# Altium PCB F103ZET6.PcbDoc (part 3 of 3)
Units mil, origin at the board's own origin, x right, y up, seen from the top; angles counter-clockwise.
Board outline 3789 x 2423 mil, 2 copper layers (Top Layer, Bottom Layer); 127 components, 166 nets, 593 pads, 224 vias.
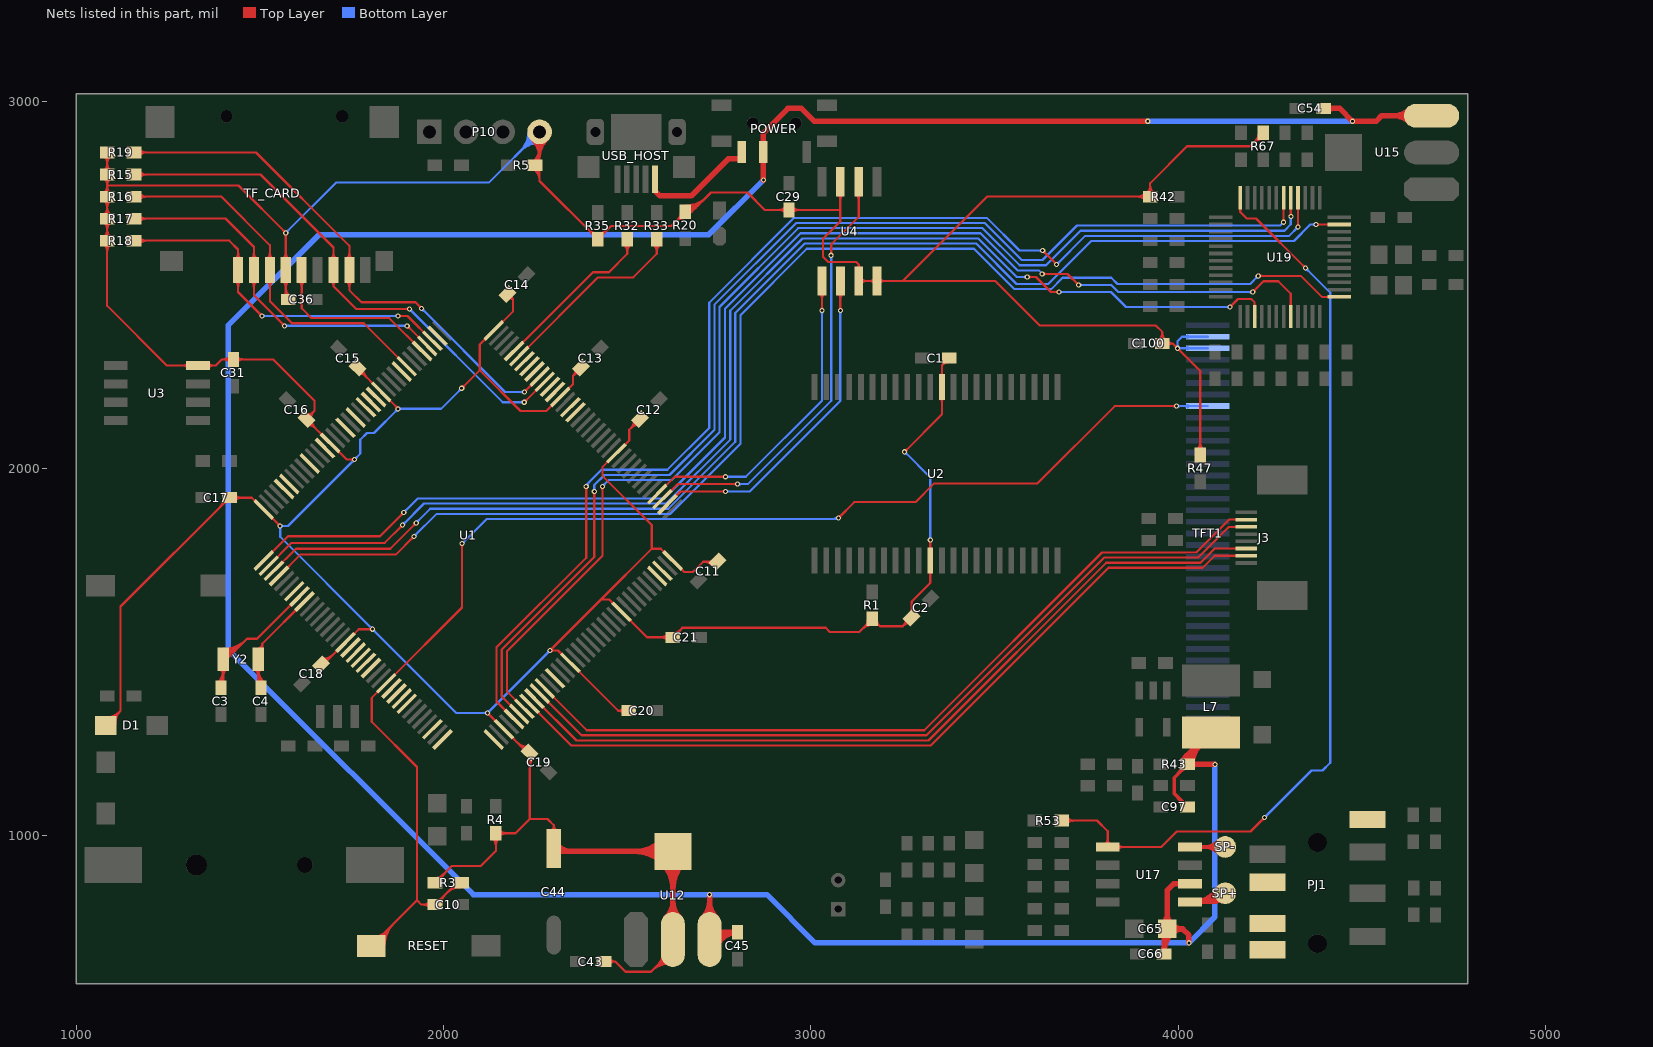
[diagram p3: the nets of this part, all layers, seen from the top]

## Via types
v1: diameter 14, hole 8, Top Layer to Bottom Layer, 224 vias

## Nets (pads, with @x,y where several pads share a name; then routed paths per layer and width w, separated by ;. In a path a pad name is that pad's centre, name@x,y a point inside that pad or via, vN(x,y) a via of type N, cw(c..) or ccw(c..) an arc to the next point about the centre after c; other vN are vias at no path point) (continued)
NetSP+_1: SP+.1 U17.5 | length 433.7
  Top Layer w10: U17.5@4052.11,819 ccw(c4052.11,898.47) SP+.1@4116.27,851.57 ; U17.5@4057.71,813.7 cw(c4070.52,800.89) 4070.52,819 cw(c4070.52,837.11) U17.5@4057.71,824.3 ; 4071.81,819 ccw(c4071.81,884.08) SP+.1@4124.34,845.67 ; 4091.51,819 ccw(c4091.51,869.68) SP+.1@4132.42,839.77 ; SP+.1@4106.09,831.98 cw(c4096.07,826.93) 4104,819 ; SP+.1@4108.2,857.47 cw(c4032.42,912.87) U17.5@4032.41,819 4104,819 ; SP+.1@4116.98,821.09 ccw(c4111.93,811.07) 4104,819 ; SP+.1@4128,843 4104,819
NetSP-_1: SP-.1 U17.8 | length 272.1
  Top Layer w10: U17.8@4032.41,969 SP-.1@4128,969 ; U17.8@4057.71,963.7 cw(c4070.52,950.89) 4070.52,969 cw(c4070.52,987.11) U17.8@4057.71,974.3 ; SP-.1@4110.66,951.66 ccw(c4068.79,909.79) 4068.79,969 ccw(c4068.79,1028.21) SP-.1@4110.66,986.34 ; SP-.1@4117.73,958.73 ccw(c4092.93,933.93) 4092.93,969 ccw(c4092.93,1004.07) SP-.1@4117.73,979.27
PA0: U1.34
PA2: U1.36
PA3: U1.37
PA5: U1.41 U19.28 | length 3492
  Top Layer w6: U1.41@2191.78,1317.26 2144,1365.05 2144,1512.6 2388,1756.6 v1(2388,1951) ; v1@2385.17,1948.17 cw(c2378.34,1941.34) 2388,1941.34 cw(c2397.66,1941.34) v1@2390.83,1948.17 ; v1@3631,2589 cw(c3631,2579.34) 3637.83,2586.17 cw(c3644.66,2593) v1@3635,2593 ; v1(3631,2593) v1(3669,2555) ; v1@3665,2555 ccw(c3655.34,2555) 3662.17,2561.83 ccw(c3669,2568.66) v1@3669,2559 ; v1@4323.47,2660.13 ccw(c4316.64,2666.95) 4326.3,2666.95 ccw(c4335.95,2666.95) v1@4329.13,2660.13 ; v1(4326.3,2657.3) U19.28@4326.3,2736.58
  Bottom Layer w6: v1(2388,1951) 2388,1954.46 2429.54,1996 2609,1996 2723,2110 2723,2451 2954,2682 3478.79,2682 3567.79,2593 v1(3631,2593) ; v1@2392,1951 cw(c2410,1951) 2397.27,1963.73 ; v1@3628.17,2590.17 ccw(c3621.34,2583.34) 3621.34,2593 ccw(c3621.34,2602.66) v1@3628.17,2595.83 ; v1(3669,2555) 3747,2633 4302,2633 v1(4326.3,2657.3) ; v1@3669,2559 ccw(c3669,2568.66) 3675.83,2561.83 ccw(c3682.66,2555) v1@3673,2555 ; v1@4322.3,2657.3 cw(c4312.64,2657.3) 4319.47,2650.47 cw(c4326.3,2643.64) v1@4326.3,2653.3
PA6: U1.42 U19.30 | length 3316.2
  Top Layer w6: U1.42@2205.7,1331.18 2158,1378.89 2158,1506.8 2410,1758.8 v1(2410,1937) ; v1@2407.17,1934.17 cw(c2400.34,1927.34) 2410,1927.34 cw(c2419.66,1927.34) v1@2412.83,1934.17 ; v1@4284.1,2672.9 ccw(c4277.27,2679.73) 4286.93,2679.73 ccw(c4296.58,2679.73) v1@4289.76,2672.9 ; v1(4286.93,2670.07) U19.30@4286.93,2736.58
  Bottom Layer w6: v1@2407.17,1939.83 ccw(c2400.34,1946.66) 2410,1946.66 ccw(c2419.66,1946.66) v1@2412.83,1939.83 ; v1(2410,1937) 2410,1954.46 2437.54,1982 2614.8,1982 2737,2104.2 2737,2445.2 2959.8,2668 3472.99,2668 3573.99,2567 3630.46,2567 3724.46,2661 4277.86,2661 v1(4286.93,2670.07)
PA7: U1.43 U19.29 | length 3319.8
  Top Layer w6: U1.43@2219.62,1345.1 2172,1392.73 2172,1501 2432,1761 v1(2432,1951) ; v1@2429.17,1948.17 cw(c2422.34,1941.34) 2432,1941.34 cw(c2441.66,1941.34) v1@2434.83,1948.17 ; v1@4303.79,2688.83 ccw(c4296.96,2695.66) 4306.61,2695.66 ccw(c4316.27,2695.66) v1@4309.44,2688.83 ; v1(4306.61,2686) U19.29@4306.61,2736.58
  Bottom Layer w6: v1(2432,1951) 2449,1968 2620.6,1968 2751,2098.4 2751,2439.4 2965.6,2654 3467.2,2654 3568.2,2553 3640,2553 3734,2647 4289.31,2647 4306.61,2664.3 v1(4306.61,2686) ; v1@2432,1955 ccw(c2432,1964.66) 2438.83,1957.83 ccw(c2445.66,1951) v1@2436,1951 ; v1@4303.79,2683.17 cw(c4296.96,2676.34) 4306.61,2676.34 cw(c4316.27,2676.34) v1@4309.44,2683.17
PA8: U1.100
PA9: U1.101
PA10: U1.102
PA11: R33.2 U1.103 | length 603.1
  Top Layer w6: U1.103@2205.7,2305.54 2420.16,2520 2516,2520 2580,2584 R33.2@2580,2623.5 ; R33.2@2570.99,2610.23 cw(c2549.22,2588.47) 2580,2588.47 cw(c2610.78,2588.47) R33.2@2589.01,2610.23 ; R33.2@2575.23,2614.48 cw(c2563.71,2602.96) 2580,2602.96 cw(c2596.29,2602.96) R33.2@2584.77,2614.48
PA12: R32.2 U1.104 | length 531.2
  Top Layer w6: U1.104@2191.78,2319.46 2406.32,2534 2450,2534 2500,2584 R32.2@2500,2623.5 ; R32.2@2490.99,2610.23 cw(c2469.22,2588.47) 2500,2588.47 cw(c2530.78,2588.47) R32.2@2509.01,2610.23 ; R32.2@2495.23,2614.48 cw(c2483.71,2602.96) 2500,2602.96 cw(c2516.29,2602.96) R32.2@2504.77,2614.48
PA15: U1.110
PB0: J3.3 U1.46 | length 2205.9
  Top Layer w6: U1.46@2261.38,1386.86 2375.24,1273 3314.4,1273 3798.4,1757 4054.8,1757 4138.43,1840.63 J3.3@4185,1840.63
PB1: J3.2 U1.47 | length 2194.3
  Top Layer w6: U1.47@2275.3,1400.78 2389.08,1287 3308.6,1287 3792.6,1771 4049,1771 4138.31,1860.32 J3.2@4185,1860.32
PB5: U1.135
PB8: U1.139
PB9: U1.140
PB10: U1.69
PB11: U1.70
PB13: U1.74 U4.6 | length 1008.6
  Top Layer w6: U1.74@2609.36,1901.88 2644.48,1937 v1(2767,1937) ; v1@2764.17,1934.17 ccw(c2757.34,1927.34) 2757.34,1937 ccw(c2757.34,1946.66) v1@2764.17,1939.83 ; U4.6@3073.64,2475.64 cw(c3058.27,2460.27) 3080,2460.27 cw(c3101.73,2460.27) U4.6@3086.36,2475.64 ; v1@3077.17,2432.83 ccw(c3070.34,2439.66) 3080,2439.66 ccw(c3089.66,2439.66) v1@3082.83,2432.83 ; v1(3080,2430) U4.6@3080,2510
  Bottom Layer w6: v1(2767,1937) 2833.54,1937 3080,2183.46 v1(3080,2430) ; v1@2769.83,1934.17 cw(c2776.66,1927.34) 2776.66,1937 cw(c2776.66,1946.66) v1@2769.83,1939.83 ; v1@3077.17,2427.17 cw(c3070.34,2420.34) 3080,2420.34 cw(c3089.66,2420.34) v1@3082.83,2427.17
PB14: U1.75 U4.2 | length 1292.5
  Top Layer w6: U1.75@2595.45,1915.8 2636.65,1957 v1(2800,1957) ; v1@2797.17,1954.17 ccw(c2790.34,1947.34) 2790.34,1957 ccw(c2790.34,1966.66) v1@2797.17,1959.83 ; v1@3052.17,2582.83 ccw(c3045.34,2589.66) 3055,2589.66 ccw(c3064.66,2589.66) v1@3057.83,2582.83 ; v1(3055,2580) 3055,2610 3129.94,2684.94 U4.2@3129.94,2780 ; U4.2@3123.57,2745.64 cw(c3108.21,2730.27) 3129.94,2730.27 cw(c3151.66,2730.27) U4.2@3136.3,2745.64
  Bottom Layer w6: v1(2800,1957) 2828.09,1957 3055,2183.91 v1(3055,2580) ; v1@2802.83,1954.17 cw(c2809.66,1947.34) 2809.66,1957 cw(c2809.66,1966.66) v1@2802.83,1959.83 ; v1@3052.17,2577.17 cw(c3045.34,2570.34) 3055,2570.34 cw(c3064.66,2570.34) v1@3057.83,2577.17
PB15: U1.76 U4.5 | length 974.4
  Top Layer w6: U1.76@2581.53,1929.72 2628.81,1977 v1(2767,1977) ; v1@2764.17,1974.17 ccw(c2757.34,1967.34) 2757.34,1977 ccw(c2757.34,1986.66) v1@2764.17,1979.83 ; U4.5@3023.64,2475.64 cw(c3008.27,2460.27) 3030,2460.27 cw(c3051.73,2460.27) U4.5@3036.36,2475.64 ; v1@3027.17,2432.83 ccw(c3020.34,2439.66) 3030,2439.66 ccw(c3039.66,2439.66) v1@3032.83,2432.83 ; v1(3030,2430) U4.5@3030,2510
  Bottom Layer w6: v1(2767,1977) 2822.63,1977 3030,2184.37 v1(3030,2430) ; v1@2769.83,1974.17 cw(c2776.66,1967.34) 2776.66,1977 cw(c2776.66,1986.66) v1@2769.83,1979.83 ; v1@3027.17,2427.17 cw(c3020.34,2420.34) 3030,2420.34 cw(c3039.66,2420.34) v1@3032.83,2427.17
PC0: U1.26
PC1: U1.27
PC2: U1.28
PC3: U1.29
PC4: J3.7 U1.44 | length 2212.8
  Top Layer w6: U1.44@2233.54,1359.02 2347.57,1245 3326,1245 3810,1729 4066.4,1729 4099.29,1761.89 J3.7@4185,1761.89
PC5: J3.6 U1.45 | length 2201.2
  Top Layer w6: U1.45@2247.46,1372.94 2361.4,1259 3320.2,1259 3804.2,1743 4060.6,1743 4099.17,1781.58 J3.6@4185,1781.58
PC6: U1.96
PC7: U1.97
PC8: R15.1 TF_CARD.7 U1.98 | length 1667.3
  Top Layer w6: R15.1@1156.5,2800 1501,2800 1699.84,2601.16 TF_CARD.7@1699.84,2540 1699.84,2496.16 ; R15.1@1165.52,2795.23 cw(c1177.04,2783.71) 1177.04,2800 cw(c1177.04,2816.29) R15.1@1165.52,2804.77 ; R15.1@1169.77,2790.99 cw(c1191.53,2769.22) 1191.53,2800 cw(c1191.53,2830.78) R15.1@1169.77,2809.01 ; TF_CARD.7@1692.22,2569.28 ccw(c1673.82,2587.68) 1699.84,2587.68 ccw(c1725.87,2587.68) TF_CARD.7@1707.46,2569.28 ; TF_CARD.7@1693.18,2509.87 cw(c1682.4,2496.16) 1699.84,2496.16 ; TF_CARD.7@1706.51,2509.87 ccw(c1717.29,2496.16) 1699.84,2496.16 ; v1@1904.17,2431.17 ccw(c1897.34,2424.34) 1897.34,2434 ccw(c1897.34,2443.66) v1@1904.17,2436.83 ; v1(1907,2434) 1762,2434 1699.84,2496.16 ; v1(2219.35,2180) U1.98@2275.3,2235.95 ; v1@2219.35,2184 ccw(c2219.35,2193.66) 2226.18,2186.83 ccw(c2233.01,2180) v1@2223.35,2180
  Bottom Layer w6: v1@1907,2430 cw(c1907,2420.34) 1913.83,2427.17 cw(c1920.66,2434) v1@1911,2434 ; v1(1907,2434) 2161,2180 v1(2219.35,2180) ; v1@2216.53,2177.17 ccw(c2209.7,2170.34) 2209.7,2180 ccw(c2209.7,2189.66) v1@2216.53,2182.83
PC9: R19.1 TF_CARD.8 U1.99 | length 1679.5
  Top Layer w6: R19.1@1156.5,2860 1489,2860 1743.15,2605.85 TF_CARD.8@1743.15,2540 1743.15,2484.85 1776,2452 1923,2452 v1(1940,2435) ; R19.1@1165.52,2855.23 cw(c1177.04,2843.71) 1177.04,2860 cw(c1177.04,2876.29) R19.1@1165.52,2864.77 ; R19.1@1169.77,2850.99 cw(c1191.53,2829.22) 1191.53,2860 cw(c1191.53,2890.78) R19.1@1169.77,2869.01 ; TF_CARD.8@1735.53,2510.72 cw(c1717.13,2492.32) 1743.15,2492.32 cw(c1769.17,2492.32) TF_CARD.8@1750.77,2510.72 ; TF_CARD.8@1735.53,2569.28 ccw(c1717.13,2587.68) 1743.15,2587.68 ccw(c1769.17,2587.68) TF_CARD.8@1750.77,2569.28 ; v1@1936,2435 ccw(c1926.34,2435) 1933.17,2441.83 ccw(c1940,2448.66) v1@1940,2439 ; v1(2219.52,2208) U1.99@2261.38,2249.86 ; v1@2219.52,2212 ccw(c2219.52,2221.66) 2226.35,2214.83 ccw(c2233.18,2208) v1@2223.52,2208
  Bottom Layer w6: v1@1940,2431 cw(c1940,2421.34) 1946.83,2428.17 cw(c1953.66,2435) v1@1944,2435 ; v1(1940,2435) 2167,2208 v1(2219.52,2208) ; v1@2216.69,2205.17 ccw(c2209.86,2198.34) 2209.86,2208 ccw(c2209.86,2217.66) v1@2216.69,2210.83
PC10: R18.1 TF_CARD.1 U1.111 | length 1209.8
  Top Layer w6: R18.1@1156.5,2620 1416,2620 1440,2596 TF_CARD.1@1440,2540 1440,2480 v1(1505,2415) ; R18.1@1165.52,2615.23 cw(c1177.04,2603.71) 1177.04,2620 cw(c1177.04,2636.29) R18.1@1165.52,2624.77 ; R18.1@1169.77,2610.99 cw(c1191.53,2589.22) 1191.53,2620 cw(c1191.53,2650.78) R18.1@1169.77,2629.01 ; TF_CARD.1@1432.38,2510.72 cw(c1413.98,2492.32) 1440,2492.32 cw(c1466.02,2492.32) TF_CARD.1@1447.62,2510.72 ; TF_CARD.1@1432.38,2569.28 ccw(c1413.98,2587.68) 1440,2587.68 ccw(c1466.02,2587.68) TF_CARD.1@1447.62,2569.28 ; v1@1501,2415 ccw(c1491.34,2415) 1498.17,2421.83 ccw(c1505,2428.66) v1@1505,2419 ; v1(1876,2415) 1901.37,2415 U1.111@1969.07,2347.3 ; v1@1878.83,2412.17 cw(c1885.66,2405.34) 1885.66,2415 cw(c1885.66,2424.66) v1@1878.83,2417.83
  Bottom Layer w6: v1(1505,2415) v1(1876,2415) ; v1@1507.83,2412.17 cw(c1514.66,2405.34) 1514.66,2415 cw(c1514.66,2424.66) v1@1507.83,2417.83 ; v1@1873.17,2412.17 ccw(c1866.34,2405.34) 1866.34,2415 ccw(c1866.34,2424.66) v1@1873.17,2417.83
PC11: R17.1 TF_CARD.2 U1.112 | length 1235.8
  Top Layer w6: R17.1@1156.5,2680 1406,2680 1483.31,2602.69 TF_CARD.2@1483.31,2540 1483.31,2470.89 v1(1566.2,2388) ; R17.1@1165.52,2675.23 cw(c1177.04,2663.71) 1177.04,2680 cw(c1177.04,2696.29) R17.1@1165.52,2684.77 ; R17.1@1169.77,2670.99 cw(c1191.53,2649.22) 1191.53,2680 cw(c1191.53,2710.78) R17.1@1169.77,2689.01 ; TF_CARD.2@1475.68,2510.72 cw(c1457.28,2492.32) 1483.31,2492.32 cw(c1509.33,2492.32) TF_CARD.2@1490.93,2510.72 ; TF_CARD.2@1475.68,2569.28 ccw(c1457.28,2587.68) 1483.31,2587.68 ccw(c1509.33,2587.68) TF_CARD.2@1490.93,2569.28 ; v1@1562.2,2388 ccw(c1552.54,2388) 1559.37,2394.83 ccw(c1566.2,2401.66) v1@1566.2,2392 ; v1@1900.53,2384 cw(c1900.53,2374.34) 1907.36,2381.17 cw(c1914.19,2388) v1@1904.53,2388 ; v1(1900.53,2388) U1.112@1955.15,2333.38
  Bottom Layer w6: v1(1566.2,2388) v1(1900.53,2388) ; v1@1569.03,2385.17 cw(c1575.86,2378.34) 1575.86,2388 cw(c1575.86,2397.66) v1@1569.03,2390.83 ; v1@1897.71,2385.17 ccw(c1890.88,2378.34) 1890.88,2388 ccw(c1890.88,2397.66) v1@1897.71,2390.83
PC12: TF_CARD.5 U1.113 | length 521.3
  Top Layer w6: TF_CARD.5@1605.61,2510.72 cw(c1587.2,2492.32) 1613.23,2492.32 cw(c1639.25,2492.32) TF_CARD.5@1620.85,2510.72 ; TF_CARD.5@1613.23,2540 1613.23,2435.77 1640,2409 1851.7,2409 U1.113@1941.23,2319.46
PC13: U1.7
PC14: C3.2 U1.8 Y2.1 | length 766.5
  Top Layer w6: C3.2@1384.51,1415.99 ccw(c1347.13,1453.37) Y2.1@1400,1453.37 ; C3.2@1388.76,1411.74 ccw(c1361.62,1438.88) 1400,1438.88 ; Y2.1@1390.99,1455.24 cw(c1369.22,1433.48) 1400,1433.48 cw(c1430.78,1433.48) Y2.1@1409.01,1455.24 ; C3.2@1393,1407.5 ccw(c1376.1,1424.4) 1400,1424.4 ; Y2.1@1395.23,1459.48 cw(c1383.71,1447.96) 1400,1447.96 cw(c1416.29,1447.96) Y2.1@1404.77,1459.48 ; C3.2@1400,1409.5 1400,1471 1465,1536 1491.84,1536 U1.8@1607.17,1651.33 ; Y2.1@1400,1472.5 ccw(c1400,1476.11) Y2.1@1402.55,1473.55 ; Y2.1@1400,1478.5 ccw(c1400,1496.59) Y2.1@1412.8,1483.8 ; Y2.1@1400,1484.5 ccw(c1400,1517.08) 1423.04,1494.04 ; Y2.1@1400,1490.5 ccw(c1400,1537.56) 1433.28,1504.28 ; Y2.1@1400,1496.5 ccw(c1400,1558.05) 1443.52,1514.52 ; Y2.1@1400,1502.5 ccw(c1400,1578.53) 1453.77,1524.77 ; Y2.1@1400,1508.5 ccw(c1400,1599.02) 1464.01,1535.01
PC15: C4.1 U1.9 Y2.2 | length 513.6
  Top Layer w6: Y2.2@1485.47,1455.24 cw(c1463.71,1433.48) 1494.49,1433.48 cw(c1525.26,1433.48) Y2.2@1503.5,1455.24 ; Y2.2@1489.72,1459.48 cw(c1478.2,1447.96) 1494.49,1447.96 cw(c1510.78,1447.96) Y2.2@1499.26,1459.48 ; Y2.2@1493.32,1508.44 ccw(c1492.06,1522.1) 1505.78,1522.1 ; Y2.2@1493.87,1502.47 ccw(c1492.67,1515.53) 1505.78,1515.53 ; Y2.2@1494.42,1496.49 ccw(c1493.27,1508.95) Y2.2@1505.78,1508.95 ; C4.1@1494.49,1411.01 Y2.2@1494.49,1480 1505.78,1491.29 1505.78,1522.1 ; 1494.49,1428.05 ccw(c1523.55,1428.05) C4.1@1503,1407.5 ; 1494.49,1442.53 ccw(c1538.03,1442.53) C4.1@1507.24,1411.74 ; Y2.2@1494.49,1457.02 ccw(c1552.52,1457.02) C4.1@1511.49,1415.99 ; U1.9@1621.09,1637.41 1505.78,1522.1
PD2: R16.1 TF_CARD.3 U1.116 | length 1179.2
  Top Layer w6: R16.1@1156.5,2740 1394,2740 1526.61,2607.39 TF_CARD.3@1526.61,2540 1526.61,2455.39 1587,2395 1782.18,2395 U1.116@1899.48,2277.7 ; R16.1@1165.52,2735.23 cw(c1177.04,2723.71) 1177.04,2740 cw(c1177.04,2756.29) R16.1@1165.52,2744.77 ; R16.1@1169.77,2730.99 cw(c1191.53,2709.22) 1191.53,2740 cw(c1191.53,2770.78) R16.1@1169.77,2749.01 ; TF_CARD.3@1518.99,2510.72 cw(c1500.59,2492.32) 1526.61,2492.32 cw(c1552.64,2492.32) TF_CARD.3@1534.24,2510.72 ; TF_CARD.3@1518.99,2569.28 ccw(c1500.59,2587.68) 1526.61,2587.68 ccw(c1552.64,2587.68) TF_CARD.3@1534.24,2569.28
PD3: U1.117
PD6: U1.122
PD7: U1.123
PE2: U1.1 U19.8 | length 3631.9
  Top Layer w6: U1.1@1509.73,1748.77 1575.97,1815 1826.34,1815 v1(1891.2,1879.86) ; v1@1887.2,1879.86 cw(c1877.55,1879.86) 1884.38,1873.03 cw(c1891.2,1866.2) v1@1891.2,1875.86 ; v1(3629.66,2529.34) 3698.66,2529.34 v1(3729,2499) ; v1@3632.49,2526.51 cw(c3639.32,2519.68) 3639.32,2529.34 cw(c3639.32,2538.99) v1@3632.49,2532.16 ; v1@3725,2499 ccw(c3715.34,2499) 3722.17,2505.83 ccw(c3729,2512.66) v1@3729,2503 ; v1(4202.88,2480) 4232.44,2509.56 4272.44,2509.56 4306.61,2475.39 U19.8@4306.61,2413.74 ; v1@4202.88,2484 ccw(c4202.88,2493.66) 4209.71,2486.83 ccw(c4216.54,2480) v1@4206.88,2480
  Bottom Layer w6: v1(1891.2,1879.86) 1929.34,1918 2600,1918 2766,2084 2766,2434.6 2971.4,2640 3461.4,2640 3562.4,2539 3620,2539 v1(3629.66,2529.34) ; v1@1891.2,1883.86 ccw(c1891.2,1893.52) 1898.03,1886.69 ccw(c1904.86,1879.86) v1@1895.21,1879.86 ; v1(3729,2499) 3817.8,2499 3836.8,2480 v1(4202.88,2480) ; v1@3731.83,2496.17 cw(c3738.66,2489.34) 3738.66,2499 cw(c3738.66,2508.66) v1@3731.83,2501.83 ; v1@4200.06,2477.17 ccw(c4193.23,2470.34) 4193.23,2480 ccw(c4193.23,2489.66) v1@4200.06,2482.83
PE3: U1.2 U19.3 | length 3513.1
  Top Layer w6: U1.2@1523.65,1734.85 1585.81,1797 1839.46,1797 v1(1888.23,1845.77) ; v1@1884.23,1845.77 cw(c1874.57,1845.77) 1881.4,1838.94 cw(c1888.23,1832.12) v1@1888.23,1841.77 ; v1(3589,2521) 3612.54,2521 3653.54,2480 v1(3675,2480) ; v1@3591.83,2518.17 cw(c3598.66,2511.34) 3598.66,2521 cw(c3598.66,2530.66) v1@3591.83,2523.83 ; v1@3672.17,2477.17 ccw(c3665.34,2470.34) 3665.34,2480 ccw(c3665.34,2489.66) v1@3672.17,2482.83 ; v1(4141,2439) 4163,2461 4199,2461 4208,2452 U19.3@4208,2413.93 ; v1@4141,2443 ccw(c4141,2452.66) 4147.83,2445.83 ccw(c4154.66,2439) v1@4145,2439 ; 4208,2445.52 ccw(c4213.47,2445.52) U19.3@4209.6,2441.65
  Top Layer w10: U19.3@4208,2413.93 U19.3@4208.19,2413.74
  Bottom Layer w6: v1(1888.23,1845.77) 1946.46,1904 2605.8,1904 2780,2078.2 2780,2428.8 2977.2,2626 3455.6,2626 3560.6,2521 v1(3589,2521) ; v1@1888.23,1849.77 ccw(c1888.23,1859.43) 1895.06,1852.6 ccw(c1901.88,1845.77) v1@1892.23,1845.77 ; v1@3586.17,2518.17 ccw(c3579.34,2511.34) 3579.34,2521 ccw(c3579.34,2530.66) v1@3586.17,2523.83 ; v1(3675,2480) 3817,2480 3858,2439 v1(4141,2439) ; v1@3677.83,2477.17 cw(c3684.66,2470.34) 3684.66,2480 cw(c3684.66,2489.66) v1@3677.83,2482.83 ; v1@4138.17,2436.17 ccw(c4131.34,2429.34) 4131.34,2439 ccw(c4131.34,2448.66) v1@4138.17,2441.83
PE4: U1.3 U19.23 | length 3648.6
  Top Layer w6: U1.3@1537.57,1720.93 1597.64,1781 1854.57,1781 v1(1925.16,1851.59) ; v1@1921.16,1851.59 cw(c1911.51,1851.59) 1918.33,1844.77 cw(c1925.16,1837.94) v1@1925.16,1847.59 ; v1(4374.74,2663.74) U19.23@4438.5,2663.74 ; v1@4377.57,2660.91 cw(c4384.4,2654.08) 4384.4,2663.74 cw(c4384.4,2673.4) v1@4377.57,2666.57
  Bottom Layer w6: v1(1925.16,1851.59) 1963.57,1890 2611.6,1890 2794,2072.4 2794,2423.01 2982.99,2612 3449.8,2612 3559.8,2502 3646.01,2502 3763.01,2619 4315,2619 4359.74,2663.74 v1(4374.74,2663.74) ; v1@1925.16,1855.59 ccw(c1925.16,1865.25) 1931.99,1858.42 ccw(c1938.82,1851.59) v1@1929.16,1851.59 ; v1@4371.91,2660.91 ccw(c4365.08,2654.08) 4365.08,2663.74 ccw(c4365.08,2673.4) v1@4371.91,2666.57
PE5: U1.4 U19.13 | length 3620.3
  Top Layer w6: U1.4@1551.49,1707.01 1609.48,1765 1869.68,1765 v1(1919.34,1814.66) ; v1@1915.34,1814.66 cw(c1905.68,1814.66) 1912.51,1807.83 cw(c1919.34,1801) v1@1919.34,1810.66 ; v1(4218,2524) 4334,2524 4391.11,2466.89 U19.13@4438.5,2466.89 ; v1@4220.83,2521.17 cw(c4227.66,2514.34) 4227.66,2524 cw(c4227.66,2533.66) v1@4220.83,2526.83
  Bottom Layer w6: v1(1919.34,1814.66) 1980.68,1876 2617.4,1876 2808,2066.6 2808,2417.21 2988.79,2598 3444,2598 3554,2488 3654,2488 3685,2519 3817.6,2519 3834.6,2502 4196,2502 v1(4218,2524) ; v1@1919.34,1818.66 ccw(c1919.34,1828.32) 1926.17,1821.49 ccw(c1933,1814.66) v1@1923.34,1814.66 ; v1@4214,2524 cw(c4204.34,2524) 4211.17,2517.17 cw(c4218,2510.34) v1@4218,2520
PF6: U1.18
PF7: U1.19
PF8: U1.20
PF9: U1.21
PF10: U1.22
PF11: U1.49
PG7: U1.92
PG8: U1.93
PG9: U1.124
PG11: U1.126
PG13: U1.128
PG15: U1.132
PJ_G: PJ1.7
PJ_L: PJ1.5
PJ_M: PJ1.8
PJ_R: PJ1.6
RESET: C10.2 R3.1 RESET.1 TFT1.8 U1.25 | length 4202.2
  Top Layer w6: RESET.1@1802.69,699.21 1927,823.53 ; RESET.1@1812.53,719.74 ccw(c1812.53,745.54) RESET.1@1830.77,727.3 ; RESET.1@1812.53,725.74 ccw(c1812.53,766.02) 1841.01,737.54 ; RESET.1@1821.06,699.21 cw(c1865.41,699.21) 1834.05,730.57 ; RESET.1@1827.06,699.21 cw(c1885.89,699.21) 1844.29,740.82 ; RESET.1@1833.06,699.21 cw(c1906.38,699.21) 1854.53,751.06 ; RESET.1@1839.06,699.21 cw(c1926.86,699.21) 1864.77,761.3 ; C10.2@1963.01,803.51 ccw(c1942.53,783.03) 1942.53,812 ccw(c1942.53,840.97) C10.2@1963.01,820.49 ; C10.2@1981.5,824 ccw(c1981.5,840.9) 1993.45,828.95 ; C10.2@1987.5,812 cw(c2014.06,812) 1995.28,830.78 ; C10.2@1993.5,812 cw(c2034.54,812) 2005.52,841.02 ; 2008.55,844.05 cw(c2045.25,807.36) R3.1@2045.25,859.25 ; 2018.79,854.29 cw(c2045.25,827.84) R3.1@2045.25,865.25 ; 2029.04,864.54 cw(c2045.25,848.33) R3.1@2045.25,871.25 ; R3.1@2029.67,865.17 ccw(c2022.84,872) R3.1@2032.5,872 ; R3.1@2036.5,872 C10.2@1976.5,812 1938.53,812 1927,823.53 ; v1@2047.17,1792.17 cw(c2040.34,1785.34) 2050,1785.34 cw(c2059.66,1785.34) v1@2052.83,1792.17 ; v1(2050,1795) 2050,1620.9 U1.25@1843.8,1414.7 1804,1374.9 1804,1310 1927,1187 1927,823.53 ; v1(3075,1865) 3118,1908 3284.8,1908 3335.8,1959 3617,1959 3827.38,2169.38 v1(3995.38,2169.38) ; v1@3075,1869 ccw(c3075,1878.66) 3081.83,1871.83 ccw(c3088.66,1865) v1@3079,1865 ; v1@3992.55,2166.55 ccw(c3985.72,2159.72) 3985.72,2169.38 ccw(c3985.72,2179.03) v1@3992.55,2172.21
  Bottom Layer w6: v1(2050,1795) 2117,1862 3072,1862 v1(3075,1865) ; v1@2050,1799 ccw(c2050,1808.66) 2056.83,1801.83 ccw(c2063.66,1795) v1@2054,1795 ; 3058.1,1862 ccw(c3058.1,1881.9) v1@3072.17,1867.83 ; v1(3995.38,2169.38) TFT1.8@4080.79,2169.38 ; v1@3998.21,2166.55 cw(c4005.03,2159.72) 4005.03,2169.38 cw(c4005.03,2179.03) v1@3998.21,2172.21 ; TFT1.8@4026.16,2165.93 ccw(c4017.84,2157.61) 4017.84,2169.38 ccw(c4017.84,2181.14) TFT1.8@4026.16,2172.82
SPK_CTRL: R53.2 U17.1 U19.36 | length 2742.8
  Top Layer w6: R53.2@3682.5,1041 3779,1041 3808,1012 U17.1@3808,969 3954,969 3996,1011 4197,1011 v1(4235,1049) ; R53.2@3691.52,1036.23 cw(c3703.04,1024.71) 3703.04,1041 cw(c3703.04,1057.29) R53.2@3691.52,1045.77 ; R53.2@3695.77,1031.99 cw(c3717.53,1010.22) 3717.53,1041 cw(c3717.53,1071.78) R53.2@3695.77,1050.01 ; U17.1@3801.28,975.72 ccw(c3785.07,991.93) 3808,991.93 ccw(c3830.93,991.93) U17.1@3814.72,975.72 ; U17.1@3834.72,962.28 cw(c3850.93,946.07) 3850.93,969 cw(c3850.93,991.93) U17.1@3834.72,975.72 ; U19.36@4168.82,2736.58 4168.82,2698.18 4187,2680 4211.95,2680 4346.95,2545 v1(4347,2545) ; v1@4231,1049 cw(c4221.34,1049) 4228.17,1042.17 cw(c4235,1035.34) v1@4235,1045 ; 4340.08,2551.87 ccw(c4347,2558.79) v1@4347,2549 ; 4340.21,2551.74 cw(c4333.47,2545) v1@4343,2545
  Bottom Layer w6: v1(4235,1049) 4363,1177 4393,1177 4414,1198 4414,2478 v1(4347,2545) ; v1@4235,1053 ccw(c4235,1062.66) 4241.83,1055.83 ccw(c4248.66,1049) v1@4239,1049 ; v1@4347,2541 cw(c4347,2531.34) 4353.83,2538.17 cw(c4360.66,2545) v1@4351,2545
VCC3.3: C1.2 C2.2 C11.2 C12.2 C13.2 C14.2 C15.2 C16.2 C17.2 C18.2 C19.2 C20.2 C21.2 C29.1 C31.1 C36.1 C43.2 C44.1 C100.2 D1.1 P10.4 R1.2 R3.2 R4.2 R5.2 R15.2 R16.2 R17.2 R18.2 R19.2 R20.1 R35.2 R42.2 R47.2 R67.2 TF_CARD.4 TFT1.2 TFT1.3 U1.17 U1.39 U1.52 U1.62 U1.72 U1.84 U1.95 U1.108 U1.121 U1.131 U1.144 U2.11 U2.33 U3.8 U4.3 U4.7 U4.8 U12.2 U12.4 | length 21050.6
  Top Layer w6: R18.2@1074.49,2610.99 cw(c1052.72,2589.22) 1083.5,2589.22 cw(c1114.28,2589.22) R18.2@1092.51,2610.99 ; R18.2@1074.49,2629.01 ccw(c1052.72,2650.78) 1083.5,2650.78 ccw(c1114.28,2650.78) R18.2@1092.51,2629.01 ; R17.2@1074.49,2670.99 cw(c1052.72,2649.22) 1083.5,2649.22 cw(c1114.28,2649.22) R17.2@1092.51,2670.99 ; R17.2@1074.49,2689.01 ccw(c1052.72,2710.78) 1083.5,2710.78 ccw(c1114.28,2710.78) R17.2@1092.51,2689.01 ; R16.2@1074.49,2730.99 cw(c1052.72,2709.22) 1083.5,2709.22 cw(c1114.28,2709.22) R16.2@1092.51,2730.99 ; R15.2@1074.49,2809.01 ccw(c1052.72,2830.78) 1083.5,2830.78 ccw(c1114.28,2830.78) R15.2@1092.51,2809.01 ; R19.2@1074.49,2850.99 cw(c1052.72,2829.22) 1083.5,2829.22 cw(c1114.28,2829.22) R19.2@1092.51,2850.99 ; R16.2@1074.65,2749.18 ccw(c1054.58,2770) 1083.5,2770 ; R15.2@1074.65,2790.82 cw(c1054.58,2770) 1083.5,2770 ; R18.2@1078.73,2615.23 cw(c1067.21,2603.71) 1083.5,2603.71 cw(c1099.79,2603.71) R18.2@1088.27,2615.23 ; R18.2@1078.73,2624.77 ccw(c1067.21,2636.29) 1083.5,2636.29 ccw(c1099.79,2636.29) R18.2@1088.27,2624.77 ; R17.2@1078.73,2675.23 cw(c1067.21,2663.71) 1083.5,2663.71 cw(c1099.79,2663.71) R17.2@1088.27,2675.23 ; R17.2@1078.73,2684.77 ccw(c1067.21,2696.29) 1083.5,2696.29 ccw(c1099.79,2696.29) R17.2@1088.27,2684.77 ; R16.2@1078.73,2735.23 cw(c1067.21,2723.71) 1083.5,2723.71 cw(c1099.79,2723.71) R16.2@1088.27,2735.23 ; R15.2@1078.73,2804.77 ccw(c1067.21,2816.29) 1083.5,2816.29 ccw(c1099.79,2816.29) R15.2@1088.27,2804.77 ; R19.2@1078.73,2855.23 cw(c1067.21,2843.71) 1083.5,2843.71 cw(c1099.79,2843.71) R19.2@1088.27,2855.23 ; R16.2@1078.82,2744.86 ccw(c1068.19,2755.88) 1083.5,2755.88 ccw(c1098.81,2755.88) R16.2@1088.18,2744.86 ; R15.2@1078.82,2795.14 cw(c1068.19,2784.12) 1083.5,2784.12 cw(c1098.81,2784.12) R15.2@1088.18,2795.14 ; D1.1@1080,1300 1120,1340 ; R19.2@1083.5,2860 R15.2@1083.5,2800 1083.5,2770 ; D1.1@1083.94,1316.59 ccw(c1083.94,1347.14) D1.1@1105.54,1325.54 ; D1.1@1083.94,1322.59 ccw(c1083.94,1367.62) 1115.78,1335.78 ; R16.2@1092.35,2749.18 cw(c1112.42,2770) 1083.5,2770 ; R15.2@1092.35,2790.82 ccw(c1112.42,2770) 1083.5,2770 ; D1.1@1094.48,1301.02 cw(c1120.5,1303.53) D1.1@1102.01,1322.01 ; D1.1@1100.45,1301.59 cw(c1136.9,1305.11) 1111.01,1331.01 ; D1.1@1106.42,1302.17 cw(c1153.3,1306.7) 1120,1340 ; U3.8@1304.69,2273.28 ccw(c1288.47,2257.07) 1288.47,2280 ccw(c1288.47,2302.93) U3.8@1304.69,2286.72 ; U3.8@1358.13,2273.28 cw(c1374.35,2257.07) 1374.35,2280 cw(c1374.35,2302.93) U3.8@1358.13,2286.72 ; 1387.48,1890.98 ccw(c1358.46,1920) C17.2@1399.5,1920 ; 1397.72,1901.22 ccw(c1378.94,1920) C17.2@1405.5,1920 ; 1399.55,1903.05 cw(c1411.5,1891.1) C17.2@1411.5,1908 ; C31.1@1418.51,2288.01 ccw(c1398.03,2267.53) 1398.03,2296.5 ccw(c1398.03,2325.47) C31.1@1418.51,2304.99 ; C17.2@1429.99,1911.51 cw(c1450.47,1891.03) 1450.47,1920 cw(c1450.47,1948.97) C17.2@1429.99,1928.49 ; C31.1@1435.49,2288.01 cw(c1455.97,2267.53) 1455.97,2296.5 cw(c1455.97,2325.47) C31.1@1435.49,2304.99 ; v1@1550.69,1843 ccw(c1541.04,1843) 1547.86,1849.83 ccw(c1554.69,1856.66) v1@1554.69,1847 ; v1(1554.69,1843) U1.144@1509.73,1887.96 1477.69,1920 C17.2@1416.5,1920 1120,1623.5 1120,1340 ; TF_CARD.4@1562.3,2510.72 cw(c1543.9,2492.32) 1569.92,2492.32 cw(c1595.95,2492.32) TF_CARD.4@1577.54,2510.72 ; TF_CARD.4@1562.3,2569.28 ccw(c1543.9,2587.68) 1569.92,2587.68 ccw(c1595.95,2587.68) TF_CARD.4@1577.54,2569.28 ; C36.1@1563.24,2468.49 ccw(c1547.12,2484.61) 1569.92,2484.61 ; v1@1565.92,2641.08 ccw(c1556.26,2641.08) 1563.09,2647.91 ccw(c1569.92,2654.74) v1@1569.92,2645.08 ; v1@1567.09,2638.25 cw(c1560.26,2631.42) 1569.92,2631.42 cw(c1579.58,2631.42) v1@1572.75,2638.25 ; C36.1@1569.92,2466.81 TF_CARD.4@1569.92,2540 v1(1569.92,2641.08) 1441,2770 1083.5,2770 ; 1569.92,2478.85 ccw(c1590.58,2478.85) C36.1@1575.97,2464.24 ; 1569.92,2493.33 ccw(c1605.06,2493.33) C36.1@1580.21,2468.49 ; C16.2@1625.81,2146.19 ccw(c1625.81,2175.16) 1646.29,2154.68 ccw(c1666.78,2134.19) C16.2@1637.81,2134.19 ; C16.2@1629.34,2118.66 cw(c1629.34,2090.66) 1649.14,2110.45 ; C16.2@1635.34,2130.66 ccw(c1650.8,2130.66) 1639.87,2119.73 ; C16.2@1641.34,2130.66 ccw(c1671.29,2130.66) 1650.11,2109.48 ; C18.2@1669.34,1475.34 ccw(c1669.34,1505.25) 1690.49,1484.1 ; C18.2@1669.34,1481.34 ccw(c1669.34,1525.74) 1700.74,1494.35 ; C18.2@1672.2,1465.81 U1.17@1732.44,1526.06 1768.39,1562 v1(1806,1562) ; C18.2@1681.34,1469.34 cw(c1694.89,1469.34) 1685.31,1478.92 ; v1@1754.17,2021.17 ccw(c1747.34,2014.34) 1747.34,2024 ccw(c1747.34,2033.66) v1@1754.17,2026.83 ; v1(1757,2024) 1735.6,2024 U1.131@1690.69,2068.91 1625.81,2133.79 C16.2@1625.81,2134.19 1648,2156.38 1648,2184 1535.5,2296.5 C31.1@1427,2296.5 1395.5,2296.5 1379,2280 U3.8@1331.41,2280 1246,2280 1083.5,2442.5 R18.2@1083.5,2620 R17.2@1083.5,2680 R16.2@1083.5,2740 1083.5,2770 ; C15.2@1765.81,2272.18 U1.121@1829.88,2208.11 v1(1875.99,2162) ; C15.2@1769.34,2258.66 cw(c1769.34,2234.55) 1786.39,2251.59 ; C15.2@1775.34,2270.66 ccw(c1794.69,2270.66) 1781.01,2256.97 ; C15.2@1781.34,2270.66 ccw(c1815.18,2270.66) 1791.25,2246.73 ; v1@1803.17,1559.17 ccw(c1796.34,1552.34) 1796.34,1562 ccw(c1796.34,1571.66) v1@1803.17,1564.83 ; v1@1871.99,2162 ccw(c1862.33,2162) 1869.16,2168.83 ccw(c1875.99,2175.66) v1@1875.99,2166 ; R3.2@1976.5,872 2021.5,917 2101,917 2142,958 R4.2@2142,1006.5 2195.5,1006.5 2234.19,1045.19 ; R3.2@1980.75,884.75 ccw(c1980.75,905.26) 1995.26,890.76 ; R3.2@1987.5,872 cw(c2014.06,872) 1995.28,890.78 ; R3.2@1993.5,872 cw(c2034.54,872) 2005.52,901.02 ; v1(2049,2218) 2098,2267 ; v1@2049,2222 ccw(c2049,2231.66) 2055.83,2224.83 ccw(c2062.66,2218) v1@2053,2218 ; v1@2119.37,1330 cw(c2119.37,1320.34) 2126.2,1327.17 cw(c2133.03,1334) v1@2123.37,1334 ; v1(2119.37,1334) U1.39@2163.94,1289.43 C19.2@2227.56,1225.81 ; R4.2@2132.99,993.23 cw(c2111.22,971.47) 2142,971.47 cw(c2172.78,971.47) R4.2@2151.01,993.23 ; R4.2@2137.23,997.48 cw(c2125.71,985.96) 2142,985.96 cw(c2158.29,985.96) R4.2@2146.77,997.48 ; R4.2@2146.77,1001.73 cw(c2158.29,990.21) 2158.29,1006.5 cw(c2158.29,1022.79) R4.2@2146.77,1011.27 ; R4.2@2151.01,997.49 cw(c2172.78,975.72) 2172.78,1006.5 cw(c2172.78,1037.28) R4.2@2151.01,1015.51 ; C14.2@2174.19,2474.19 2189,2459.38 ; C14.2@2177.22,2462.58 cw(c2180.32,2450.7) 2189,2459.38 ; C14.2@2185.8,2471.16 ccw(c2197.68,2468.06) 2189,2459.38 ; 2198.85,1254.52 ccw(c2230.66,1286.32) C19.2@2230.66,1241.34 ; 2209.09,1244.28 ccw(c2230.66,1265.84) C19.2@2230.66,1235.34 ; 2214.86,1238.51 cw(c2205.69,1229.34) C19.2@2218.66,1229.34 ; C19.2@2229.24,1213.79 cw(c2217.29,1201.84) 2234.19,1201.84 ; 2234.19,1184.77 cw(c2275.23,1184.77) C19.2@2246.21,1213.79 ; 2234.19,1199.25 cw(c2260.75,1199.25) C19.2@2241.97,1218.03 ; C19.2@2234.19,1225.81 2234.19,1045.19 ; P10.4@2239.46,2894.46 cw(c2187.45,2842.45) 2261,2842.45 cw(c2334.55,2842.45) P10.4@2282.54,2894.46 ; P10.4@2243.7,2898.7 cw(c2201.94,2856.94) 2261,2856.94 cw(c2320.06,2856.94) P10.4@2278.3,2898.7 ; R5.2@2243.74,2834.01 ccw(c2202.06,2875.69) 2261,2875.69 ; R5.2@2244.86,2814.99 cw(c2218.62,2781.71) 2261,2781.71 ; P10.4@2247.94,2902.94 cw(c2216.42,2871.42) 2261,2871.42 cw(c2305.58,2871.42) P10.4@2274.06,2902.94 ; R5.2@2247.98,2829.77 ccw(c2216.55,2861.2) 2261,2861.2 ; R5.2@2248.57,2819.7 cw(c2228.37,2794.08) 2261,2794.08 ; R5.2@2252.22,2825.53 ccw(c2231.03,2846.72) 2261,2846.72 ; R5.2@2252.29,2824.41 cw(c2238.13,2806.45) 2261,2806.45 ; P10.4@2261,2916 2261,2782.5 R35.2@2420,2623.5 2456.5,2660 2619.73,2660 R20.1@2658.22,2698.5 2675.5,2698.5 ; v1@2289.37,1508 ccw(c2289.37,1517.66) 2296.2,1510.83 ccw(c2303.03,1504) v1@2293.37,1504 ; C44.1@2291.43,1012.89 ccw(c2282.4,1028) 2300,1028 ; v1@2292.2,1501.17 cw(c2299.03,1494.34) 2299.03,1504 cw(c2299.03,1513.66) v1@2292.2,1506.83 ; C44.1@2300,965.11 2300,1028 ; C44.1@2308.57,1012.89 cw(c2317.6,1028) 2300,1028 ; C13.2@2358.68,2269.83 cw(c2335.74,2268.26) 2352,2252 ; C13.2@2369.83,2258.68 ccw(c2368.26,2235.74) 2352,2252 ; C13.2@2374.19,2274.19 2352,2252 ; 2390.98,2652.52 ccw(c2420,2681.54) 2420,2640.5 ccw(c2420,2681.54) 2449.02,2652.52 ; 2401.22,2642.28 ccw(c2420,2661.06) 2420,2634.5 ccw(c2420,2661.06) 2438.78,2642.28 ; 2401.24,2642.26 cw(c2386.74,2627.75) R35.2@2407.25,2627.75 ; R35.2@2432.75,2627.75 cw(c2453.26,2627.75) 2438.76,2642.26 ; C43.2@2436.5,657 2467,657 ; C43.2@2450.75,649.35 cw(c2467,635.91) 2467,657 ; C43.2@2450.75,664.65 ccw(c2467,678.09) 2467,657 ; C20.2@2488.71,1333.06 ccw(c2475.28,1323.53) 2475.28,1340 ccw(c2475.28,1356.47) C20.2@2488.71,1346.94 ; C20.2@2503.5,1340 2475.27,1340 U1.52@2344.9,1470.38 2311.27,1504 v1(2289.37,1504) 2428.37,1643 ; C12.2@2518.66,2130.66 cw(c2489.68,2130.66) 2510.17,2110.17 cw(c2530.66,2089.68) C12.2@2530.66,2118.66 ; C12.2@2534.19,2134.19 2505,2105 2505,2075.9 U1.84@2470.17,2041.07 2432,2002.9 2432,1980 2566.37,1845.63 2566.37,1781 ; 2565.75,630.75 cw(c2615.44,581.06) U12.2@2621.88,651.03 ; 2574.79,639.79 cw(c2616.96,597.63) U12.2@2622.43,657.01 ; 2583.84,648.84 cw(c2618.49,614.19) U12.2@2622.98,662.98 ; 2583.99,648.99 ccw(c2558.55,674.44) U12.2@2594.53,674.44 ; 2592.88,657.88 cw(c2620.01,630.76) U12.2@2623.53,668.96 ; 2594.24,659.24 ccw(c2579.04,674.44) U12.2@2600.53,674.44 ; C21.2@2610.01,1531.51 ccw(c2589.53,1511.03) 2589.53,1540 ccw(c2589.53,1568.97) C21.2@2610.01,1548.49 ; U12.2@2624.03,689.03 2564,629 2495,629 2467,657 ; C21.2@2628.5,1552 ccw(c2628.5,1568.9) 2640.45,1556.95 ; 2629.2,2669.48 cw(c2658.22,2640.45) R20.1@2658.22,2681.5 ; C21.2@2634.48,1540.53 cw(c2654.98,1542.37) 2640.42,1556.92 ; 2639.44,2679.72 cw(c2658.22,2660.94) R20.1@2658.22,2687.5 ; 2639.47,2679.74 ccw(c2624.96,2694.24) R20.1@2645.47,2694.24 ; C21.2@2640.45,1541.07 cw(c2671.64,1543.86) 2649.5,1566 ; R20.1@2658.22,2691.5 ccw(c2658.22,2716.3) 2675.76,2698.76 ; R20.1@2658.22,2697.5 ccw(c2658.22,2736.78) 2686,2709 ; R20.1@2658.22,2703.5 ccw(c2658.22,2757.27) 2696.25,2719.25 ; R20.1@2658.22,2709.5 ccw(c2658.22,2777.76) 2706.49,2729.49 ; R20.1@2658.22,2715.5 ccw(c2658.22,2798.24) 2716.73,2739.73 ; R20.1@2670.4,2694.74 cw(c2675.5,2693.17) 2675.5,2698.5 ; R20.1@2670.4,2702.25 ccw(c2675.5,2703.82) 2675.5,2698.5 ; 2720.51,1745.81 cw(c2720.51,1722.2) C11.2@2737.86,1738.21 ; 2721.84,1745.81 ccw(c2721.84,1762.71) C11.2@2733.79,1750.76 ; C11.2@2733.45,1734.14 ccw(c2706.81,1709.57) 2706.81,1745.81 ; C11.2@2745.81,1745.81 2706.81,1745.81 ; C29.1@2931.51,2695.01 ccw(c2911.03,2674.53) 2911.03,2703.5 ccw(c2911.03,2732.47) C29.1@2931.51,2711.99 ; C29.1@2948.49,2695.01 cw(c2968.97,2674.53) 2968.97,2703.5 cw(c2968.97,2732.47) C29.1@2948.49,2711.99 ; U4.3@3073.57,2745.64 cw(c3058.21,2730.27) 3079.94,2730.27 cw(c3101.66,2730.27) U4.3@3086.3,2745.64 ; 3079.44,2703.5 C29.1@2940,2703.5 2874.5,2703.5 2827,2751 2728,2751 2675.5,2698.5 ; U4.3@3079.94,2780 3079.94,2671.94 3033,2625 3033,2576 3047,2562 3123,2562 3130,2555 ; U4.7@3124.94,2545.44 ccw(c3118.45,2555) 3130,2555 ; U4.7@3135.06,2545.44 cw(c3141.55,2555) 3130,2555 ; U4.7@3136.36,2503.64 cw(c3151.73,2488.27) 3151.73,2510 cw(c3151.73,2531.73) U4.7@3136.36,2516.36 ; 3138.44,1561.48 cw(c3167.46,1532.46) R1.2@3167.46,1573.5 ; 3148.68,1571.72 cw(c3167.46,1552.94) R1.2@3167.46,1579.5 ; 3148.7,1571.74 ccw(c3134.2,1586.25) R1.2@3154.71,1586.25 ; R1.2@3168.86,1579.65 cw(c3171.92,1565.33) R1.2@3182.28,1575.68 ; U4.8@3173.64,2503.64 ccw(c3158.27,2488.27) 3158.27,2510 ccw(c3158.27,2531.73) U4.8@3173.64,2516.36 ; R1.2@3180.2,1586.25 ccw(c3200.72,1586.25) 3186.21,1571.74 ; U4.8@3186.36,2503.64 cw(c3201.73,2488.27) 3201.73,2510 cw(c3201.73,2531.73) U4.8@3186.36,2516.36 ; v1(3255,2045) 3356.43,2146.43 U2.33@3356.43,2221.09 3356.43,2279.93 C1.2@3376.5,2300 ; v1@3255,2049 ccw(c3255,2058.66) 3261.83,2051.83 ccw(c3268.66,2045) v1@3259,2045 ; C2.2@3258.66,1590.66 cw(c3229.68,1590.66) 3250.17,1570.17 cw(c3270.66,1549.68) C2.2@3270.66,1578.66 ; C2.2@3269.24,1606.21 ccw(c3257.29,1618.16) 3274.19,1618.16 ; 3274.19,1620.75 ccw(c3300.75,1620.75) C2.2@3281.97,1601.97 ; 3274.19,1635.23 ccw(c3315.23,1635.23) C2.2@3286.21,1606.21 ; U2.11@3321.49,1717.64 cw(c3313.17,1709.32) 3324.94,1709.32 cw(c3336.7,1709.32) U2.11@3328.38,1717.64 ; U2.11@3321.49,1779.65 ccw(c3313.17,1787.97) 3324.94,1787.97 ccw(c3336.7,1787.97) U2.11@3328.38,1779.65 ; v1@3322.11,1802.11 cw(c3315.28,1795.28) 3324.94,1795.28 cw(c3334.59,1795.28) v1@3327.77,1802.11 ; v1(3324.94,1804.94) U2.11@3324.94,1748.65 3324.94,1687.94 3274.19,1637.19 C2.2@3274.19,1594.19 3250,1570 3187.96,1570 R1.2@3167.46,1590.5 3130.96,1554 3052,1554 3040,1566 2649.5,1566 ; U2.33@3352.99,2190.08 cw(c3344.67,2181.76) 3356.43,2181.76 cw(c3368.2,2181.76) U2.33@3359.88,2190.08 ; U2.33@3352.99,2252.09 ccw(c3344.67,2260.41) 3356.43,2260.41 ccw(c3368.2,2260.41) U2.33@3359.88,2252.09 ; 3358.93,2282.43 ccw(c3351.6,2289.77) C1.2@3360.83,2294.52 ; 3359.55,2283.05 cw(c3371.5,2271.1) C1.2@3371.5,2288 ; R42.2@3910.23,2730.99 ccw(c3888.47,2709.22) 3888.47,2740 ccw(c3888.47,2770.78) R42.2@3910.23,2749.01 ; R42.2@3914.48,2735.23 ccw(c3902.96,2723.71) 3902.96,2740 ccw(c3902.96,2756.29) R42.2@3914.48,2744.77 ; R42.2@3914.49,2749.01 ccw(c3892.72,2770.78) 3923.5,2770.78 ccw(c3954.28,2770.78) R42.2@3932.51,2749.01 ; R42.2@3918.73,2744.77 ccw(c3907.21,2756.29) 3923.5,2756.29 ccw(c3939.79,2756.29) R42.2@3928.27,2744.77 ; C100.2@3948.01,2348.49 ccw(c3927.53,2368.97) 3956.5,2368.97 ccw(c3985.47,2368.97) C100.2@3964.99,2348.49 ; C100.2@3971.22,2332.96 cw(c3985,2322.99) 3985,2340 ; C100.2@3971.22,2347.04 ccw(c3985,2357.01) 3985,2340 ; v1@3994.14,2326.86 ccw(c3984.48,2326.86) 3991.31,2333.69 ccw(c3998.14,2340.52) v1@3998.14,2330.86 ; v1@3998.14,2322.86 cw(c3998.14,2313.2) 4004.97,2320.03 cw(c4011.8,2326.86) v1@4002.14,2326.86 ; R47.2@4050.99,2049.77 ccw(c4029.22,2071.53) 4060,2071.53 ccw(c4090.78,2071.53) R47.2@4069.01,2049.77 ; R47.2@4055.23,2045.52 ccw(c4043.71,2057.04) 4060,2057.04 ccw(c4076.29,2057.04) R47.2@4064.77,2045.52 ; R47.2@4060,2036.5 4060,2265 v1(3998.14,2326.86) 3985,2340 ; 4201.98,2884.48 cw(c4231,2855.46) R67.2@4231,2896.5 ; 4212.22,2894.72 cw(c4231,2875.94) R67.2@4231,2902.5 ; 4212.24,2894.74 ccw(c4197.74,2909.25) R67.2@4218.25,2909.25 ; R67.2@4231,2913.5 4194.5,2877 4024,2877 3923.5,2776.5 R42.2@3923.5,2740 3480,2740 3250,2510 ; 2098,2267 2098,2337.03 U1.108@2136.1,2375.14 2189,2428.03 2189,2459.38 ; 2098,2267 2209,2156 2278.87,2156 U1.95@2317.06,2194.19 2352,2229.13 2352,2252 ; 2234.19,1045.19 2282.81,1045.19 2300,1028 ; 2428.37,1643 2566.37,1781 ; 2428.37,1643 2450.66,1643 U1.62@2484.09,1609.57 2553.66,1540 C21.2@2623.5,1540 2649.5,1566 ; 2566.37,1781 2591.05,1781 U1.72@2623.28,1748.77 2654.05,1718 2679,1718 2706.81,1745.81 ; 3130,2555 U4.7@3130,2510 U4.8@3180,2510 3250,2510 ; 3250,2510 3502,2510 3623,2389 3939,2389 3956.5,2371.5 C100.2@3956.5,2340 3985,2340
  Top Layer w15: C44.1@2308.17,956.94 U12.4@2624.03,956.94 U12.2@2624.03,716.94 ; C44.1@2308.62,973.73 ccw(c2349.15,1014.26) 2349.15,956.94 ; U12.4@2593.98,986.99 cw(c2521.43,1059.54) 2521.43,956.94 cw(c2521.43,854.33) 2593.98,926.89 cw(c2521.43,854.33) 2624.03,854.33 cw(c2726.64,854.33) U12.4@2654.08,926.89 ; U12.4@2604.59,976.38 cw(c2557.64,1023.33) 2557.64,956.94 cw(c2557.64,890.55) 2604.59,937.49 cw(c2557.64,890.55) 2624.03,890.55 cw(c2690.42,890.55) U12.4@2643.48,937.49 ; U12.2@2606.35,777.11 ccw(c2563.68,819.79) 2624.03,819.79 ccw(c2684.39,819.79) U12.2@2641.71,777.11
  Bottom Layer w6: v1@1551.86,1840.17 cw(c1545.04,1833.34) 1554.69,1833.34 cw(c1564.35,1833.34) 1557.52,1840.17 cw(c1564.35,1833.34) 1564.35,1843 cw(c1564.35,1852.66) v1@1557.52,1845.83 ; v1(1569.92,2641.08) 1706.84,2778 2123,2778 P10.4@2261,2916 ; v1@1569.92,2645.08 ccw(c1569.92,2654.74) 1576.75,2647.91 ccw(c1583.58,2641.08) v1@1573.92,2641.08 ; v1@1753,2024 cw(c1743.34,2024) 1750.17,2017.17 cw(c1757,2010.34) v1@1757,2020 ; v1@1757,2028 ccw(c1757,2037.66) 1763.83,2030.83 ccw(c1770.66,2024) v1@1761,2024 ; v1@1802,1562 ccw(c1792.34,1562) 1799.17,1568.83 ccw(c1806,1575.66) v1@1806,1566 ; v1@1806,1558 cw(c1806,1548.34) 1812.83,1555.17 cw(c1819.66,1562) v1@1810,1562 ; v1@1871.99,2162 cw(c1862.33,2162) 1869.16,2155.17 cw(c1875.99,2148.34) v1@1875.99,2158 ; v1@1878.81,2159.17 cw(c1885.64,2152.34) 1885.64,2162 cw(c1885.64,2171.66) v1@1878.81,2164.83 ; v1@2045,2218 cw(c2035.34,2218) 2042.17,2211.17 cw(c2049,2204.34) v1@2049,2214 ; v1(2049,2218) 1993,2162 v1(1875.99,2162) 1809.99,2096 1791,2096 1773,2078 1773,2040 v1(1757,2024) 1576,1843 v1(1554.69,1843) 1554.69,1813.31 v1(1806,1562) 2034,1334 v1(2119.37,1334) v1(2289.37,1504) ; v1@2116.54,1331.17 ccw(c2109.71,1324.34) 2109.71,1334 ccw(c2109.71,1343.66) v1@2116.54,1336.83 ; v1@2119.37,1338 ccw(c2119.37,1347.66) 2126.2,1340.83 ccw(c2133.03,1334) v1@2123.37,1334 ; P10.4@2230.54,2916 cw(c2156.99,2916) 2208.99,2863.99 cw(c2261,2811.99) P10.4@2261,2885.54 ; P10.4@2236.54,2916 cw(c2177.47,2916) 2219.24,2874.24 cw(c2261,2832.47) P10.4@2261,2891.54 ; P10.4@2242.54,2916 cw(c2197.96,2916) 2229.48,2884.48 cw(c2261,2852.96) P10.4@2261,2897.54 ; v1@2285.37,1504 cw(c2275.71,1504) 2282.54,1497.17 cw(c2289.37,1490.34) v1@2289.37,1500 ; v1@3255,2041 cw(c3255,2031.34) 3261.83,2038.17 cw(c3268.66,2045) v1@3259,2045 ; v1(3255,2045) 3324.94,1975.06 v1(3324.94,1804.94) ; v1@3322.11,1807.77 ccw(c3315.28,1814.59) 3324.94,1814.59 ccw(c3334.59,1814.59) v1@3327.77,1807.77 ; v1@3995.31,2329.69 ccw(c3988.48,2336.52) 3998.14,2336.52 ccw(c4007.8,2336.52) 4000.97,2329.69 ccw(c4007.8,2336.52) 4007.8,2326.86 ccw(c4007.8,2317.2) v1@4000.97,2324.03 ; TFT1.3@4026.16,2323.41 ccw(c4017.84,2315.09) 4017.84,2326.86 ccw(c4017.84,2338.63) TFT1.3@4026.16,2330.3 ; TFT1.2@4026.16,2354.91 ccw(c4017.84,2346.59) 4017.84,2358.35 ccw(c4017.84,2370.12) TFT1.2@4026.16,2361.8 ; TFT1.3@4080.79,2326.86 v1(3998.14,2326.86) 3998.14,2346.14 4010.35,2358.35 TFT1.2@4080.79,2358.35
VCC5: C45.2 C54.1 C65.2 C66.2 C97.2 L7.2 POWER.2 R43.2 U12.3 U15.3 U17.6 | length 9692.3
  Top Layer w10: 3999.89,1103.61 cw(c3974.29,1078) C97.2@4010.5,1078 ; 3999.89,1168.39 ccw(c3974.29,1194) R43.2@4010.5,1194 ; R43.2@4010.16,1178.66 cw(c4021.25,1167.57) R43.2@4021.25,1183.25 ; C97.2@4011.96,1091.54 ccw(c4020.5,1100.07) C97.2@4020.5,1088 ; C97.2@4025.5,1078 3989,1114.5 3989,1157.5 R43.2@4025.5,1194
  Top Layer w15: U12.3@2706.35,777.11 ccw(c2663.68,819.79) 2724.03,819.79 ccw(c2784.39,819.79) U12.3@2741.71,777.11 ; U12.3@2724.03,716.94 v1(2724.03,838.97) ; U12.3@2732.76,712.06 cw(c2774.43,688.76) 2774.43,736.5 ; U12.3@2743.6,736.5 C45.2@2800,736.5 ccw(c2800,674.47) U12.3@2745.85,704.74 ; C45.2@2794.7,731.2 ccw(c2781.89,718.39) 2781.89,736.5 ccw(c2781.89,754.61) C45.2@2794.7,741.8 ; v1(2870.47,2785) POWER.2@2870.47,2861.42 2870.47,2913.47 2937,2980 2974,2980 3009,2945 v1(3917,2945) ; C66.2@3956.2,683.3 ccw(c3943.39,696.11) 3961.5,696.11 ccw(c3979.61,696.11) C66.2@3966.8,683.3 ; C65.2@3957.63,758.37 ccw(c3927.75,788.25) 3970,788.25 ccw(c4012.25,788.25) C65.2@3982.37,758.37 ; C66.2@3961.5,678 C65.2@3961.5,737.5 ; C66.2@3961.5,683.23 cw(c4032.77,683.23) C65.2@3982.37,733.63 ; 3961.5,719.44 cw(c3996.56,719.44) C65.2@3971.77,744.23 ; C65.2@3982.43,733.68 cw(c4012,704.36) 4012,746 ; C65.2@3982.43,758.32 ccw(c4012,787.64) 4012,746 ; R43.2@4025.5,1194 v1(4100,1194) ; v1(4029,708) 4029,729 4012,746 ; U17.6@4032.41,869 3988,869 3970,851 C65.2@3970,746 4012,746 ; R43.2@4035.58,1188.17 cw(c4049.66,1174.09) 4049.66,1194 cw(c4049.66,1213.91) R43.2@4035.58,1199.83 ; C54.1@4396.5,2980 4440,2980 v1(4475,2945) 4538.94,2945 4553.97,2960.03 U15.3@4690.06,2960.03 ; C54.1@4406.8,2974.7 cw(c4419.61,2961.89) 4419.61,2980 cw(c4419.61,2998.11) C54.1@4406.8,2985.3 ; U15.3@4629.89,2942.35 ccw(c4587.21,2899.68) 4587.21,2960.03 ccw(c4587.21,3020.39) U15.3@4629.89,2977.71
  Top Layer w20: R43.2@4015.5,1194 cw(c4046.63,1194) 4024.62,1216.01 ; R43.2@4025.5,1194 4025.5,1216.89 L7.2@4089,1280.39 ; R43.2@4035.5,1194 cw(c4114.91,1194) L7.2@4058.76,1250.15
  Bottom Layer w15: v1(2870.47,2785) 2721.47,2636 1660,2636 1413,2389 1413,1507 2081,839 2880,839 3011,708 v1(4029,708) 4100,779 v1(4100,1194) ; v1(3917,2945) v1(4475,2945)
VUSB: POWER.3 USB_HOST.1 | length 324.2
  Top Layer w15: USB_HOST.1@2575.4,2786.65 2575.4,2755.6 2589,2742 2674,2742 2775,2843 POWER.3@2811,2843 ; 2799.32,2843 ccw(c2799.32,2855.8) POWER.3@2808.37,2846.75
pads on no net: "POWER. " BAT.0 J3.4 J3.5 J3.9 J3.10 PJ1. POWER.0 POWER.1 TF_CARD.0 TF_CARD.9 TFT1.25 TFT1.26 TFT1.27 TFT1.28 TFT1.29 TFT1.30 TFT1.31 TFT1.32 TFT1.33 TFT1.36 U1.106 U19.9 U19.10 U19.11 U19.12 U19.15 U19.25 U19.27 USB_HOST.4

## Polygon pours and split planes (outlines as drawn)
GND on Top Layer "Top Layer-No Net" (solid, remove dead copper): 1000,3020 1000,597 4789,597 4789,3020
GND on Bottom Layer "Top Layer-No Net" (solid, remove dead copper): 1000,3020 1000,597 4789,597 4789,3020

## Keep-outs
Keep-Out Layer:
  the board outline again, w6

## Silkscreen, mask and mechanical layers (free items; w line width, h text height)
Top Overlay:
  text "GND  JTCK  JTDO  JTMS" at 1951,2973 h32
Top Solder:
  text "未名科技 03.07" at 4696,1260 h180 r90

## Text inside footprints (layer, text, board x,y; h text height)
J3: Top Overlay "8" at 4208,1727 h30 r270; Top Overlay "1" at 4208,1911 h30 r270
TF_CARD: Top Overlay "Cd" at 1799,2591 h30 r90; Top Overlay "8" at 1746,2613 h30 r180; Top Overlay "7" at 1702,2614 h30 r180; Top Overlay "6" at 1660,2614 h30 r180; Top Overlay "5" at 1618,2614 h30 r180; Top Overlay "4" at 1576,2615 h30 r180; Top Overlay "3" at 1529,2615 h30 r180; Top Overlay "2" at 1487,2615 h30 r180; Top Overlay "1" at 1444,2616 h30 r180
U12: Top Overlay "3" at 2698.03,889.94 h24; Top Overlay "1" at 2518.03,889.94 h24
U15: Top Overlay "3" at 4517.06,2934.03 h24 r90; Top Overlay "1" at 4517.06,2754.03 h24 r90